# Altium PCB TC264Power.PcbDoc
Units mil, origin at the board's own origin, x right, y up, seen from the top; angles counter-clockwise.
Board outline 3937.01 x 2522.01 mil, 4 copper layers (Top, GND, PWR, Bottom), stack 23.756 mil thick; 61 components, 26 nets, 156 pads, 306 vias.
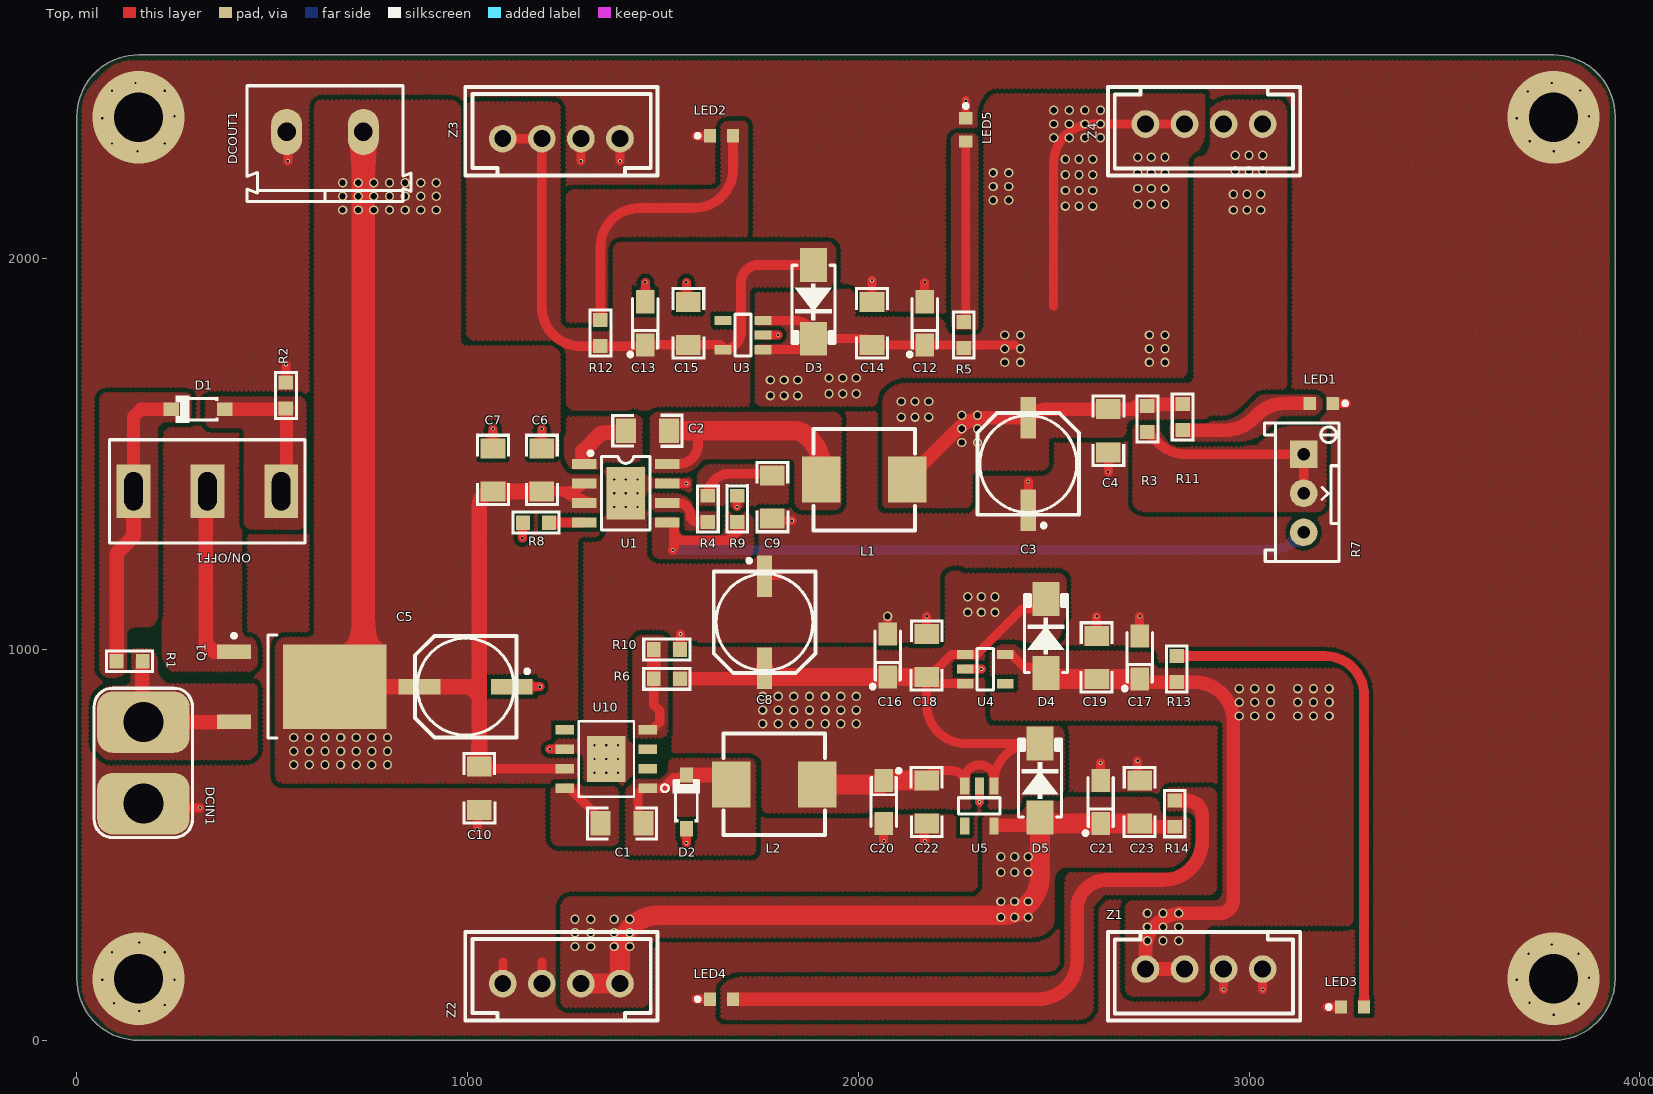
[diagram p0: Top view]
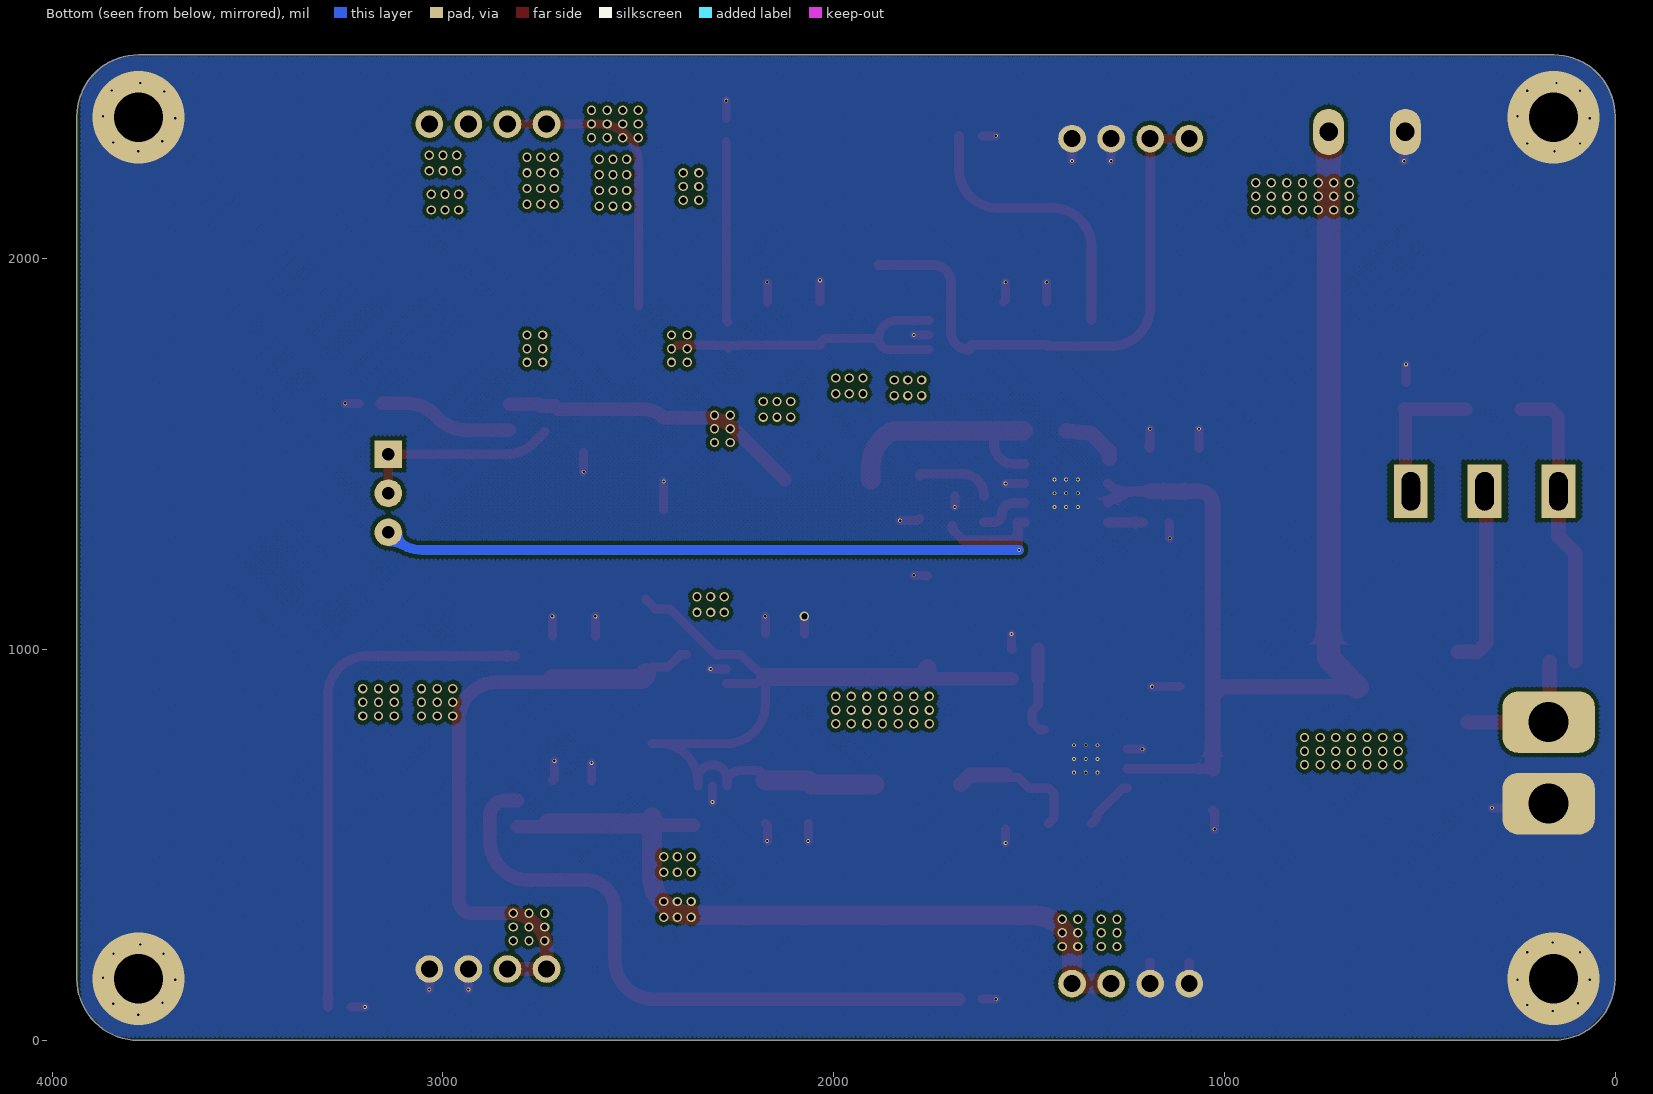
[diagram p1: Bottom view, seen from below]
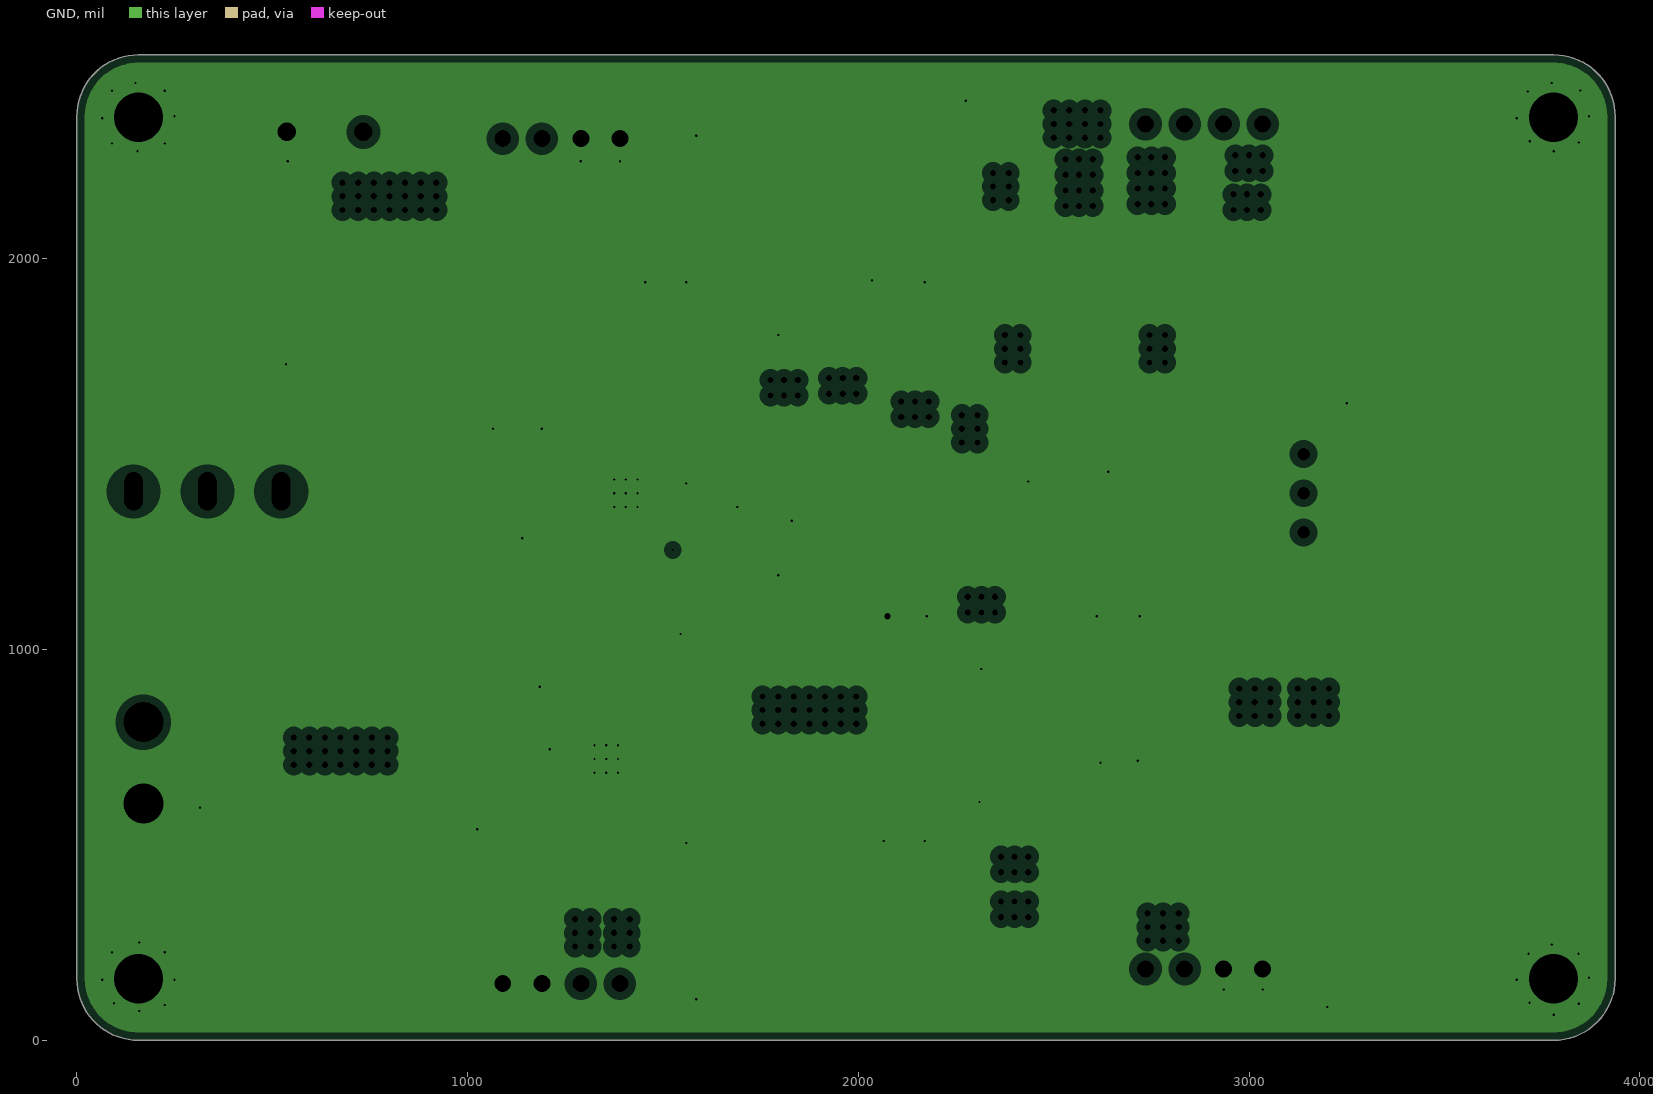
[diagram p2: GND, clearances drawn from the general rule]
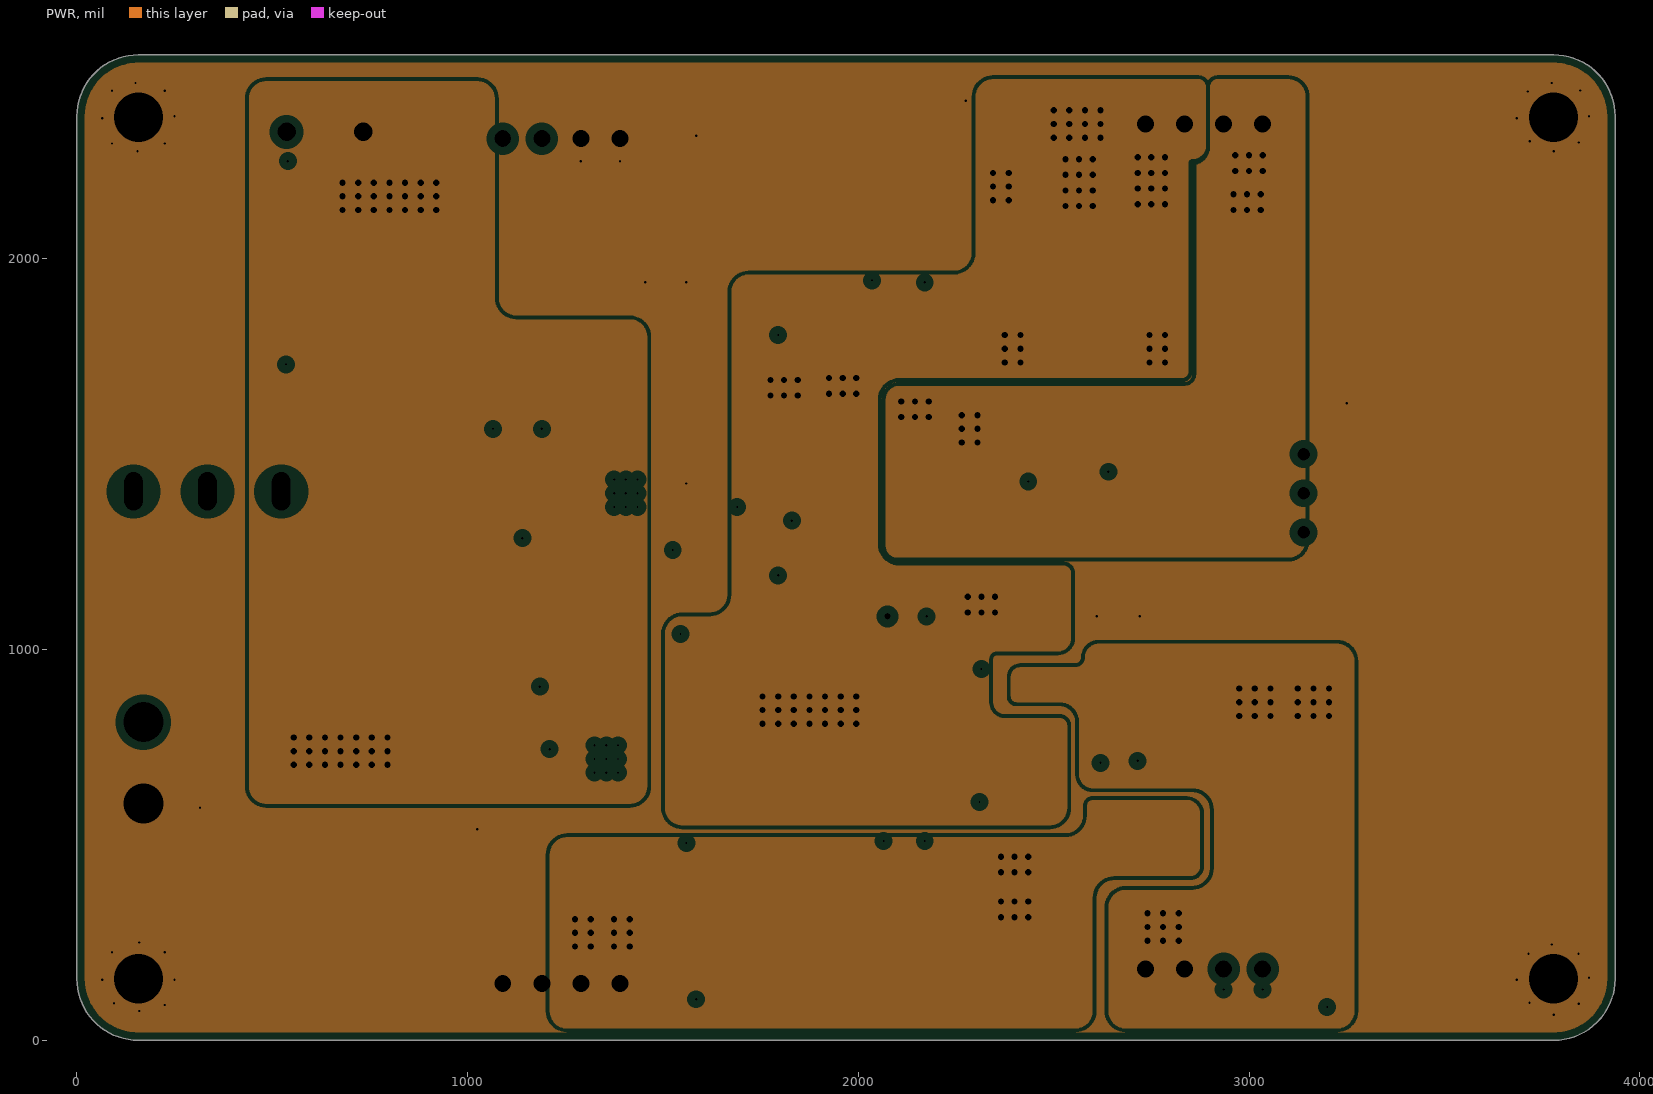
[diagram p3: PWR, clearances drawn from the general rule]

## Layer stack, top to bottom
Top Solder: solder mask 0.4, Solder Resist, Dk 3.5
Top: signal copper 1.4
Dielectric 2: prepreg 2.8, PP-006, Dk 4.1
GND: plane copper 1.378, net GND
Dielectric 1: dielectric 12.6, FR-4, Dk 4.8
PWR: plane copper 1.378, net (Multiple Nets)
Dielectric 3: prepreg 2.8, PP-006, Dk 4.1
Bottom: signal copper 1.4
Bottom Solder: solder mask 0.4, Solder Resist, Dk 3.5

## Board outline
0,157.48 0,2364.53 cw(c157.48,2364.53) 157.48,2522.01 3779.53,2522.01 cw(c3779.53,2364.53) 3937.01,2364.53 3937.01,2363.5 3937.01,157.48 cw(c3779.53,157.48) 3779.53,0 157.48,0 cw(c157.48,157.48)

## Design rules (kind name [scope] priority, off if disabled: settings)
Clearance [All] p1: gap=10 ignorepadtopadclearanceinfootprint=FALSE except(0: Arc-Hole Track-Hole SMDPad-Hole THPad-Hole Via-Hole Fill-Hole Poly-Hole Region-Hole Text-Hole)
PlaneClearance [All] p1: clearance=20
PlaneConnect [All] p1: planeconnectstyle=Direct reliefexpansion=20 reliefentries=4 reliefconductorwidth=10 reliefairgap=10
PolygonConnect [All] p1: connectstyle=Direct reliefconductorwidth=10 reliefentries=4 polygonreliefangle="90 Angle" airgapwidth=10
RoutingVias [All] p1: holewidth=28 width=50 viastyle="Through Hole" minholewidth=28 minwidth=50 maxholewidth=28 maxwidth=50
SolderMaskExpansion [All] p1: expansion=4 istentingtop=FALSE
Width [All] p1: maxlimit=60 minlimit=8 preferedwidth=10 minimp=50.000000 maximp=50.000000 favimp=50.000000
28 further rules are at their usual default settings.

## Components (designator, comment, footprint, x,y, rotation, side; value= is the part's Value field where it differs from the comment)
C1 "10nF ±10% 50V" CAPC3216[1206]S 1395,555 r180 top value=10nF
C2 "100nF ±10% 50V" CAPC3216[1206]S 1460,1560 r0 top value=100nF
C3 "220uF 16V" CAPS6.3 2435,1475 r270 top value=220uF
C4 "47uF ±10% 50V" CAPC3216[1206]S 2640,1560 r90 top value=47uF
C5 "220uF 16V" CAPS6.3 995,905 r0 top value=220uF
C6 "4.7uF ±10% 50V" CAPC3216[1206]S 1190,1460 r270 top value=4.7uF
C7 "100nF ±10% 50V" CAPC3216[1206]S 1065,1460 r270 top value=100nF
C8 "220uF 16V" CAPS6.3 1760,1070 r90 top value=220uF
C9 "4.7nF ±10% 50V" CAPC3216[1206]S 1780,1390 r270 top value=4.7nF
C10 "10uF ±10% 50V" CAPC3216[1206]S 1030,645 r270 top value=10uF
C12 "10uF 16V" CAPT3216 2170,1835 r90 top value=10uF
C13 "10uF 16V" CAPT3216 1455,1835 r90 top value=10uF
C14 "100nF ±10% 50V" CAPC3216[1206]S 2035,1835 r270 top value=100nF
C15 "100nF ±10% 50V" CAPC3216[1206]S 1565,1835 r270 top value=100nF
C16 "10uF 16V" CAPT3216 2075,985 r90 top value=10uF
C17 "10uF 16V" CAPT3216 2720,980 r90 top value=10uF
C18 "100nF ±10% 50V" CAPC3216[1206]S 2175,985 r270 top value=100nF
C19 "100nF ±10% 50V" CAPC3216[1206]S 2610,980 r270 top value=100nF
C20 "10uF 16V" CAPT3216 2065,610 r270 top value=10uF
C21 "10uF 16V" CAPT3216 2620,610 r90 top value=10uF
C22 "100nF ±10% 50V" CAPC3216[1206]S 2175,610 r90 top value=100nF
C23 "100nF ±10% 50V" CAPC3216[1206]S 2720,610 r270 top value=100nF
D1 "BZT52C16" SOD-123-L 310,1615 r180 top
D2 "BZT52C16" SOD-123-L 1560,610 r90 top
D3 "SS54" SMA[DO-214AC] 1885,1890 r270 top
D4 "SS54" SMA[DO-214AC] 2480,1034.49 r90 top
D5 "SS54" SMA[DO-214AC] 2465,665 r90 top
DCIN1 "T1" "Wired T-Header ThroughHole" 170,710 r0 top
DCOUT1 "KF/WJ/DG 30x connecter" "KF/WJ/DG 301-2p-5.0mm" 635,2325 r180 top
L1 "4.7uH 5A" "0630 TPC 7*7*3" 2015,1435 r0 top value=4.7uH
L2 "15uH 5A" "0630 TPC 7*7*3" 1785,655 r180 top value=15uH
LED1 "翠绿贴片LED" LEDC1608(0603) 3185,1630 r180 top
LED2 "翠绿贴片LED" LEDC1608(0603) 1650,2315 r0 top
LED3 "翠绿贴片LED" LEDC1608(0603) 3265,85 r0 top
LED4 "翠绿贴片LED" LEDC1608(0603) 1650,105 r0 top
LED5 "翠绿贴片LED" LEDC1608(0603) 2275,2330 r270 top
ON/OFF1 "SW-SPDT" SS12D10 333.98,1405 r0 top
Q1 "HY19P03" TO-252AA 531.06,905 r0 top
R1 "4.7K ±1%" RESC1608[0603]S-N 135,970 r180 top value=4.7K
R2 "1K ±1%" RESC1608[0603]S-N 535,1650 r90 top value=1K
R3 "15K ±1%" RESC1608[0603]S-N 2740,1590 r90 top value=15K
R4 "20K ±1%" RESC1608[0603]S-N 1615,1360 r270 top value=20K
R5 "10K ±1%" RESC1608[0603]S-N 2270,1805 r270 top value=10K
R6 "10K ±1%" RESC1608[0603]S-N 1510,925 r0 top value=10K
R7 "10K" RESPOT3296 3140,1400 r270 top
R8 "200K ±1%" RESC1608[0603]S-N 1175,1325 r0 top value=200K
R9 "3.3K ±1%" RESC1608[0603]S-N 1690,1360 r90 top value=3.3K
R10 "3.3K ±1%" RESC1608[0603]S-N 1510,1000 r0 top value=3.3K
R11 "10K ±1%" RESC1608[0603]S-N 2830,1595 r90 top value=10K
R12 "2.7K ±1%" RESC1608[0603]S-N 1340,1810 r90 top value=2.7K
R13 "2.7K ±1%" RESC1608[0603]S-N 2815,950 r90 top value=2.7K
R14 "2.7K ±1%" RESC1608[0603]S-N 2810,580 r90 top value=2.7K
U1 "SCT2450" SOP-8E 1405,1400 r0 top
U3 "RT9013-33" SOT-23-5 1705,1805 r180 top
U4 "RT9013-33" SOT-23-5 2325,950 r0 top
U5 "RT9013-33" SOT-23-5 2310,600 r270 top
U10 "TPS5430DDRA" SOP8-1R27-3R90 1355,720 r90 top
Z1 "ZX-XH2.54-4PZZ" ZX-XH2.54-4PZZ 2735,182.4 r0 top
Z2 "ZX-XH2.54-4PZZ" ZX-XH2.54-4PZZ 1390,145 r180 top
Z3 "ZX-XH2.54-4PZZ" ZX-XH2.54-4PZZ 1390,2307.6 r180 top
Z4 "ZX-XH2.54-4PZZ" ZX-XH2.54-4PZZ 2735,2345 r0 top

## Footprints (in the part's own frame and the unit in brackets; to place one, negate y for a bottom-side part, rotate by r counter-clockwise, add the part's x,y. Pads: shape width x height; smd on the part's side, far side on the other; paste and mask are expansions set on the pad)
"0630 TPC 7*7*3" [mm] "12mmx12mmx6.5mm 一体成型功率电感"
  rect 2.5x3 smd: 1(-2.8,0) 2(2.8,0)
  silkscreen extent -3.3,-3.3 3.3,3.3, body extent -3.3,-3.3 3.3,3.3, height 3
CAPC3216[1206]S [mm] "1206贴片电容 有丝印 2脚 3.20x1.60mm IPC中密度"
  rect 1.3x1.6 smd: 1(-1.4,0) 2(1.4,0)
  silkscreen extent -2.35,-1.11 2.35,1.11, body extent -1.6,-0.81 1.6,0.81, height 1.21
CAPS6.3 [mm] "Solid Electorlytic Capacitor, E-type Footprint, 6.3mm Diameter, 5.5mm Height"
  rect 2.7x1 smd: 1(-3,0) 2(3,0)
  silkscreen extent -3.3,-3.3 4.12,3.3, body extent -3.5,-3.3 3.5,3.3, height 5.2
CAPT3216 [mm] "Molded (Tantalum) Capacitor, 2-Leads, Body 3.20x1.60mm, IPC Medium Density"
  rect 1.5x1.2 smd: 1(-1.4,0) 2(1.4,0)
  silkscreen extent -2.15,-0.9 1.6,1.1, body extent -1.6,-0.8 1.6,0.8, height 1.6
"KF/WJ/DG 301-2p-5.0mm" [mm] "2P 5.08mm间距 接线端子"
  oval 2x3 hole 1.2: 1(2.5,0) 2(-2.5,0)
  silkscreen extent -5.6,-3 5.08,4.52, body extent -5.6,-3 5,4.6, height 10
LEDC1608(0603) [mm] "LED,Chip;1.60mm L X 0.80mm W X 0.80mm H"
  rect 0.8x0.85 smd: A(0.75,0) C(-0.75,0)
  silkscreen extent -1.68,-0.12 -1.43,0.12, body extent -0.8,-0.4 0.8,0.4, height 0.64
RESC1608[0603]S-N [mm] "0603贴片电阻 有丝印 2脚 1.60x0.80mm IPC中密度"
  rect 0.9x0.95 smd: 1(-0.85,0) 2(0.85,0)
  silkscreen extent -1.6,-0.78 1.6,0.78, body extent -0.8,-0.4 0.8,0.4, height 0.45
RESPOT3296 [mm] "Precise Multi-Winding Adjustable Resistor"
  rect 1.8x1.8 hole 0.8: 1(-2.54,0)
  round 1.8 hole 0.8: 2(2.54,0) ADJ(0,0)
  silkscreen extent -4.57,-2.54 4.45,2.29, body extent -4.6,-2.44 4.6,2.36, height 12.01
SMA[DO-214AC] [mm] "Molded Diode, 2-Leads, Body 5.00x2.49mm, IPC Medium Density"
  rect 2.2x1.75 smd: A(-2.4,0) K(2.4,0)
  silkscreen extent -2.37,-1.4 2.7,1.4, body extent -2.9,-1.46 2.91,1.46, height 2.3
SOD-123-L [mm] "SOD Diode;2.70mm W X 1.60mm L X 1.35mm H body"
  rect 1x0.85 smd: A(-1.75,0) K(1.75,0)
  silkscreen extent -1.32,-0.9 1.47,0.9, body extent -1.85,-0.8 1.85,0.8, height 1.2
SOP8-1R27-3R90 [mm]
  rect 0.6x1.2 smd: 1(-1.905,-2.7) 2(-0.635,-2.7) 3(0.635,-2.7) 4(1.905,-2.7) 5(1.905,2.7) 6(0.635,2.7) 7(-0.635,2.7) 8(-1.905,2.7)
  rect 3x2.5 smd: 9(0,0)
  silkscreen extent -2.45,-4.06 2.45,1.8
SOP-8E [mm] "SOIC,1.27mm pitch;8 pin,3.90mm W X 4.88mm L X 1.73mm H body"
  rect 2.5x3.4 smd: 0(0,0)
  rect 1.6x0.65 smd: 1(-2.7,1.905) 3(-2.7,-0.635) 4(-2.7,-1.905) 5(2.7,-1.905) 6(2.7,-0.635) 7(2.7,0.635) 8(2.7,1.905) q(-2.7,0.635)
  silkscreen extent -2.42,-2.4 1.58,2.72, body extent -3.11,-2.45 3.11,2.45, height 1.75
SOT-23-5 [mm] "SOT23, 5-Leads, Body 2.92x2.79mm, Pitch 0.95mm, IPC Medium Density"
  rect 1.1x0.6 smd: 1(-1.3,0.95) 2(-1.3,0) 3(-1.3,-0.95) 4(1.3,-0.95) 5(1.3,0.95)
  silkscreen extent -0.53,-1.35 0.53,1.35, body extent -1.42,-1.46 1.42,1.46, height 1.08
SS12D10 [mm] "拨动开关，直脚，脚距4.8"
  rect 2.2x3.5 hole 1.2 slot 2.5 at 90 deg mask+0.07: 1(-4.8,0) 2(0,0) 3(4.8,0)
  silkscreen extent -6.35,-3.35 6.35,3.35, body extent -6.4,-3.3 6.35,3.8, height 12.5
TO-252AA [mm] "D-PAK, 4-Leads, Body 6.1x6.5mm, Pitch 2.28mm, Lead Span 9.8mm, IPC Low Density"
  rect 6.7x5.5 smd: 1(3.275,0)
  rect 2.2x0.95 smd: 2(-3.275,2.28) 3(-3.275,-2.28)
  silkscreen extent -3.4,-3.35 -0.47,3.43, body extent -3.77,-3.27 6.16,3.27, height 2.39
"Wired T-Header ThroughHole" [mm] "带线T头直插焊盘"
  rrect50% 6x4 hole 2.6: 1(0,2.65) 2(0,-2.65)
  silkscreen extent -3.2,-4.85 3.2,4.85
ZX-XH2.54-4PZZ [mm]
  round 1.8 hole 1.1 paste-2539.97 mask+0.051: 1(7.62,0) 2(5.08,0) 3(2.54,0) 4(0,0)
  silkscreen extent -2.44,-3.35 10.06,2.4, body extent -2.44,-3.29 10.06,2.41, height 7

## Part data
C1 C2 C7 C14 C15 C18 C19 C22 C23: library part Cap-Chip, "贴片电容", Tolerance=±10%, Voltage=50V, Published=2021-12-13, Revision=V1.2, Type=X7R
C3 C5 C8: library part Cap-Solid_1, "Polarized Capacitor (Radial)", Voltage=16V, Price(RMB)=0.000, Published=8-Jun-2000, Publisher="Altium Limited", Revision="July-2002: Re-released for DXP Platform."
C4: library part Cap-Chip_2, "贴片电容", Tolerance=±10%, Voltage=50V, Published=2021-12-13, Revision=V1.2, Type=X5R
C6 C10: library part Cap-Chip_1, "贴片电容", Tolerance=±10%, Voltage=50V, Published=2021-12-13, Revision=V1.2, Type=X7R
C9: library part Cap-Chip_3, "贴片电容", Tolerance=±10%, Voltage=50V, Published=2021-12-13, Revision=V1.2, Type=X7R
C12 C13 C16 C17 C20 C21: library part Cap-Tan, "Tantalum Capacitor", Voltage=16V, Price(RMB)=0.000, Published=8-Jun-2000, Publisher="Altium Limited", Revision="July-2002: Re-released for DXP Platform."
D1 D2: library part "Diode TVS Uni-Dir", "TRANSIENT VOLTAGE  SUPPRESSOR DIODE", Imax=500mA, Price(RMB)=0.000, Published=8-Jun-2000, Publisher="Altium Limited"
D3 D4 D5: library part Diode, "普通二极管 Diode", Imax=500mA, Price(RMB)=0.000, Published=8-Jun-2000, Publisher="Altium Limited", Revision="July-2002: Re-released for DXP Platform."
DCIN1: library part T_Header, "T型插头"
DCOUT1: library part "KF/WJ/DG 30x", "接线端子 2Pin"
L1 L2: library part Ind-Power, "功率电感", DCR=.5m, Imax=5A, Price(RMB)=0.000, Published=8-Jun-2000, Publisher="Altium Limited", Revision="July-2002: Re-released for DXP Platform."
LED1 LED2 LED3 LED4 LED5: library part "LED Chip Green", Price(RMB)=0.00, Published=8-Jun-2000, Publisher="Altium Limited", Revision="July-2002: Re-released for DXP Platform."
ON/OFF1: "单刀双掷开关 3脚船型、钮子、拨动开关 SPDT Subminiature Toggle Switch", Price(RMB)=0.000, Published=24-Mar-1999, Publisher="Altium Limited"
Q1: "HY19P03 P-Channel MOSFET"
R1: library part Res-Chip_4, "贴片电阻", Tolerance=±1%, Published=8-Jun-2000, Revision="July-2002: Re-released for DXP Platform."
R2: library part Res-Chip_3, "贴片电阻", Tolerance=±1%, Published=8-Jun-2000, Revision="July-2002: Re-released for DXP Platform."
R3: library part Res-Chip_7, "贴片电阻", Tolerance=±1%, Published=8-Jun-2000, Revision="July-2002: Re-released for DXP Platform."
R4: library part Res-Chip_6, "贴片电阻", Tolerance=±1%, Published=8-Jun-2000, Revision="July-2002: Re-released for DXP Platform."
R5 R6 R11: library part Res-Chip, "贴片电阻", Tolerance=±1%, Published=8-Jun-2000, Revision="July-2002: Re-released for DXP Platform."
R7: library part Res-Adj-3p, "可调电阻"
R8: library part Res-Chip_5, "贴片电阻", Tolerance=±1%, Published=8-Jun-2000, Revision="July-2002: Re-released for DXP Platform."
R9 R10: library part Res-Chip_8, "贴片电阻", Tolerance=±1%, Published=8-Jun-2000, Revision="July-2002: Re-released for DXP Platform."
R12 R13 R14: library part Res-Chip_2, "贴片电阻", Tolerance=±1%, Published=8-Jun-2000, Revision="July-2002: Re-released for DXP Platform."
U1: "3.8V-36V Vin, 5A, High Efficiency Synchronous Step-down DCDC Converter / with Programmable Frequency"
U3 U4 U5: "3.3V 500mA SOT-23-5 LDO"
Z1 Z2 Z3 Z4: "接线端子"

## Via types
v1: diameter 24, hole 16, Top to Bottom, tented both sides, 211 vias
v2: diameter 9.84, hole 5.91, Top to Bottom, 91 vias
v3: diameter 236.22, hole 125.98, Top to Bottom, 4 vias

## Nets (pads, with @x,y where several pads share a name; then routed paths per layer and width w, separated by ;. In a path a pad name is that pad's centre, name@x,y a point inside that pad or via, vN(x,y) a via of type N, cw(c..) or ccw(c..) an arc to the next point about the centre after c; other vN are vias at no path point)
3V3: C17.1 C19.2 D4.A R13.1 U4.5 Z1.3 Z1.4 | length 1578.5
  Top w23: U4.5 2376.49,987.09 2392.75,987.09 2424.52,955.32 2464.68,955.32 D4.A
  Top w35: C17.1 2720,922.66 2726.12,916.54 R13.1 2860,916.54 cw(c2860,816.54) 2960,816.54 2960,360 cw(c2925,360) 2925,325 2830,325 ccw(c2830,230) 2735,230 Z1.4 Z1.3
  Top w51: D4.A 2480,933.83 2488.95,924.88 C19.2 C17.1
  other v1: 2740,255 2780,255 2820,255 2740,290 2780,290 2820,290 2740,325 2780,325 2820,325 2975,830 3015,830 3055,830 3125,830 3165,830 3205,830 2975,865 3015,865 3055,865 3125,865 3165,865 3205,865 2975,900 3015,900 3055,900 3125,900 3165,900 3205,900
3V3_CAM: C13.1 C15.2 D3.A R12.1 U3.5 Z3.1 Z3.2 | length 1470
  Top w25: Z3.1 Z3.2 1190,1876.54 ccw(c1290,1876.54) 1290,1776.54 R12.1 1451.65,1776.54 ccw(c1451.65,1779.88) C13.1 C15.2 1641.54,1779.88 cw(c1641.54,1767.6) U3.5 ccw(c1653.82,1813.78) 1700,1813.78 1700,1940 cw(c1744.49,1940) 1744.49,1984.49 D3.A
3V3_MCU: C21.1 C23.2 D5.A R14.1 U5.5 Z2.3 Z2.4 | length 1928.1
  Top w35: 2360,550 D5.A@2448.88,550 ; C23.2 2728.09,546.79 2750.18,546.79 2750.43,546.54 R14.1
  Top w51: Z2.3 Z2.4 1390,220 cw(c1490,220) 1490,320 2365,320 ccw(c2365,420) 2465,420 D5.A ; D5.A@2485,555 C21.1@2606.05,555 ; C21.1 C23.2@2730,554.88
  other v1: 1275,240 1315,240 1375,240 1415,240 1275,275 1315,275 1375,275 1415,275 1275,310 1315,310 1375,310 1415,310 2365,315 2400,315 2435,315 2365,355 2400,355 2435,355 2365,430 2400,430 2435,430 2365,470 2400,470 2435,470
5V: C8.1 C12.1 C14.2 C16.1 C18.2 C20.1 C22.2 D3.K D4.K D5.K L2.1 R5.2 R6.2 U3.1 U3.3 U4.1 U4.3 U5.1 U5.3 Z4.3 Z4.4 | length 3867
  Top w23: U3.1 1857.09,1767.6 ccw(c1857.09,1795.51) D3.K ; U3.3 1838.11,1842.4 cw(c1838.11,1795.51) D3.K ; C22.2 cw(c2199.88,665.12) 2199.88,690 2240,690 cw(c2240,657.4) U5.3@2272.6,657.4 ; U5.3 U5.3@2272.6,657.4 ; U4.3 2198.19,912.6 C18.2@2180.91,929.88 ; U4.1 U4.1@2274.13,987.71 ; U5.1 U5.1@2347.4,659.49 ; 2400,1779.88 2305,1779.88 2302.87,1777.75 2276.22,1777.75 R5.2 2263.78,1777.75 2247.13,1777.75 2245,1779.88 C12.1 C14.2 ccw(c2019.37,1779.88) 2019.37,1795.51 D3.K ; D5.K D5.K@2447.4,759.49 ; D4.K 2480,1127.28 2457.05,1104.33 2419.33,1104.33 2302.71,987.71 U4.1@2274.13,987.71 ; 2500,1879.88 2500,2245 cw(c2600,2245) 2600,2345 Z4.4 Z4.3 ; C18.2@2180.91,929.88 2238.11,987.09 2273.51,987.09 U4.1@2274.13,987.71 ; C18.2@2180.91,929.88 C18.2 2175,859.49 ccw(c2275,859.49) 2275,759.49 D5.K@2447.4,759.49 ; U5.3@2272.6,657.4 2272.6,667.6 cw(c2310,667.6) 2310,705 cw(c2310,667.6) 2347.4,667.6 U5.1@2347.4,659.49 ; U5.1@2347.4,659.49 cw(c2447.4,659.49) D5.K@2447.4,759.49
  Top w35: R6.2 C8.1@1757.81,925
  Top w47: C8.1 1760,933.7 1763.81,929.88 C16.1 C18.2
  Top w51: L2.1 2054.88,655 2060.97,661.09 2063.12,661.09 2065,662.97 C20.1 C22.2
  other v1: 1755,810 1795,810 1835,810 1875,810 1915,810 1955,810 1995,810 1755,845 1795,845 1835,845 1875,845 1915,845 1955,845 1995,845 1755,880 1795,880 1835,880 1875,880 1915,880 1955,880 1995,880 2280,1095 2315,1095 2350,1095 2280,1135 2315,1135 2350,1135 1775,1650 1810,1650 1845,1650 1925,1655 1960,1655 1995,1655 1775,1690 1810,1690 1845,1690 1925,1695 1960,1695 1995,1695 2375,1735 2415,1735 2745,1735 2785,1735 2375,1770 2415,1770 2745,1770 2785,1770 2375,1805 2415,1805 2745,1805 2785,1805 2530,2135 2565,2135 2600,2135 2715,2140 2750,2140 2785,2140 2345,2150 2385,2150 2530,2175 2565,2175 2600,2175 2715,2180 2750,2180 2785,2180 2345,2185 2385,2185 2530,2215 2565,2215 2600,2215 2345,2220 2385,2220 2715,2220 2750,2220 2785,2220 2530,2255 2565,2255 2600,2255 2715,2260 2750,2260 2785,2260 2500,2310 2540,2310 2580,2310 2620,2310 2500,2345 2540,2345 2580,2345 2620,2345 2500,2380 2540,2380 2580,2380 2620,2380
5V_Ser: C3.1 C4.2 L1.2 R3.2 R11.2 Z4.1 Z4.2 | length 776.4
  Top w35: L1.2 2254.06,1563.82 cw(c2324.77,1493.11) 2324.77,1593.11 C3.1 cw(c2488.13,1539.98) 2488.13,1615.12 2705.12,1615.12 2713.25,1623.25 2739.78,1623.25 R3.2@2740.22,1623.68 ; R3.2 R3.2@2740.22,1623.68 ; R11.2@2828.8,1628.25 2756.45,1628.25 2751.89,1623.68 R3.2@2740.22,1623.68
  other v1: 2265,1530 2305,1530 2265,1565 2305,1565 2110,1595 2145,1595 2180,1595 2265,1600 2305,1600 2110,1635 2145,1635 2180,1635 2960,2125 2995,2125 3030,2125 2960,2165 2995,2165 3030,2165 2965,2225 3000,2225 3035,2225 2965,2265 3000,2265 3035,2265
GND: C3.2 C4.1 C5.2 C6.1 C7.1 C8.2 C9.2 C10.2 C12.2 C13.2 C14.1 C15.1 C16.2 C17.2 C18.1 C19.1 C20.2 C21.2 C22.1 C23.1 D2.A DCIN1.2 DCOUT1.1 LED1.C LED2.C LED3.C LED4.C LED5.C R2.2 R8.1 R9.2 R10.2 U1.0 U1.7 U3.2 U4.2 U5.2 U10.6 U10.9 Z1.1 Z1.2 Z2.1 Z2.2 Z3.3 Z3.4 | length 3655.1
  Top w10: v2(90,225) v3(157.48,157.48) ; v2(90,2295) 90.28,2295 v3(157.48,2362.2) ; v2(90,2430) 90,2429.69 v3(157.48,2362.2) ; v2(95,95) v3(157.48,157.48) ; v2(225,90) v3(157.48,157.48) ; v2(225,225) v3(157.48,157.48) ; v2(225,2295) 157.8,2362.2 v3(157.48,2362.2) ; v2(225,2430) 157.48,2362.48 v3(157.48,2362.2) ; v2(3713.16,2428.49) v3(3779.53,2362.2) v3(3779.53,2362.2) ; v2(3715.45,221.51) v3(3779.53,157.48) v3(3779.53,157.48) ; v2(3718.04,95.98) v3(3779.53,157.48) ; v2(3718.61,2301.27) v3(3779.53,2362.2) ; v2(3843.45,221.58) 3779.53,157.66 v3(3779.53,157.48) ; v2(3843.75,93.29) v3@3779.56,157.48 ; v2(3844.13,2297.67) 3779.6,2362.2 v3(3779.53,2362.2)
  Top w23: DCIN1.2 180.67,595 v2(315,595) ; R2.2@533.46,1685 R2.2 v2(535,1730) ; DCOUT1.1 540,2321.57 v2(540,2250) ; v2(1025,540) 1025,584.88 C10.2 ; C7.1@1064.94,1515.06 C7.1 v2(1065,1565) ; Z2.1 1090,200 ; C5.2 v2(1185,905) ; v2(1140,1285) 1140,1323.46 R8.1 ; Z2.2 1190,200 ; v2(1190,1565) C6.1 C6.1@1194.82,1519.94 ; v2(1210,745) U10.6 ; v2(1290,2250) Z3.3 ; v2(1390,2250) Z3.4 ; C13.2 v2(1455,1940) ; U1.7 v2(1560,1425) ; R10.2 1545,1001.54 v2(1545,1040) ; v2(1560,505) D2.A ; v2(1560,1940) 1560,1895.12 C15.1 ; v2(1585,105) LED4.C ; v2(1585,2315) LED2.C ; v2@1690,1365.75 R9.2 ; U3.2 v2(1795,1805) ; C8.2 1761.89,1190 v2(1795,1190) ; C9.2 ccw(c1791.79,1346.67) 1791.79,1330 v2(1830,1330) ; C14.1 v2(2035,1945) ; v2(2065,510) C20.2 ; C16.2 v1(2075,1085) ; v2(2170,510) 2170,549.88 C22.1 ; C12.2 v2(2170,1940) ; C18.1 v2(2175,1085) ; U4.2 v2(2315,950) ; LED5.C v2(2275,2405) ; v2(2310,610) U5.2 ; C3.2 v2(2435,1430) ; C19.1 v2(2610,1085) ; C21.2 v2(2620,710) ; v2(2640,1455) C4.1 ; v2(2715,715) 2715,670.12 C23.1 ; C17.2 v2(2720,1085) ; v2(2935,130) Z1.2 ; v2(3035,130) Z1.1 ; v2(3200,85) LED3.C ; LED1.C v2(3250,1630)
  Bottom w10: v3(3779.53,2362.2) v2(3847.99,2430.7)
  other v2: 3780,65 160,75 65,155 250,155 3685,155 3870,160 3775,245 160,250 1325,685 1355,685 1385,685 1325,720 1355,720 1385,720 1325,755 1355,755 1385,755 1375,1365 1405,1365 1435,1365 1690,1365 1375,1400 1405,1400 1435,1400 1375,1435 1405,1435 1435,1435 155,2275 3780,2275 65,2360 3685,2360 250,2365 3870,2365 150,2450 3775,2450
NetC1_1: C1.1 D2.K L2.2 U10.1 | length 351.3
  Top w23.62: C1.1 1436.34,568.78 1436.34,631.85 1449.49,645 U10.1 1500,645 1527.31,672.31 1555.08,672.31 1560,677.23 D2.K
  Top w39.37: D2.K 1650.87,678.9 L2.2
NetC1_2: C1.2 U10.8 | length 134.7
  Top w23.62: U10.8 1260.51,645 1326.1,579.41 1326.1,568.78 C1.2
NetC2_1: C2.1 U1.1 | length 146.7
  Top w39.37: 1295,1490 1295,1507.24 1341.68,1553.92 1398.98,1559.43 C2.1
NetC2_2: C2.2 L1.1 U1.8 | length 623.3
  Top w25: U1.8 1538.79,1475 ccw(c1538.79,1526.21) 1575,1490 ccw(c1538.79,1526.21) 1590,1526.21 1590,1535 ccw(c1553.79,1535) 1579.99,1560
  Top w50: C2.2 1579.99,1560 1833.79,1560 cw(c1833.79,1508.79) 1869.99,1545.01 1875.47,1539.53 cw(c1804.76,1468.81) 1904.76,1468.81 L1.1
NetC9_1: C9.1 R4.1 | length 200.1
  Top w25: R4.1 cw(c1671.54,1393.46) 1671.54,1450 1775.12,1450 cw(c1775.12,1445.12) C9.1
NetD1_A: D1.A ON/OFF1.3 R2.1 | length 368.3
  Top w33.47: D1.A@381.85,1615 R2.1@536.54,1615 ; ON/OFF1.3 536.54,1418.58 R2.1@536.54,1610 ; R2.1@535.98,1616.54 R2.1@536.97,1616.54 ; R2.1@538.03,1616.54 R2.1@540,1616.54
NetD1_K: D1.K ON/OFF1.1 R1.2 | length 747.6
  Top w33.47: ON/OFF1.1 145,1595.4 164.6,1615 D1.K
  Top w37.4: R1.2 101.54,1246.54 145,1290 ON/OFF1.1
NetDCIN1_1: DCIN1.1 Q1.3 R1.1 | length 362.9
  Top w37.4: R1.1@167.56,969.09 167.56,814.96 DCIN1.1@168.19,814.33 ; DCIN1.1 376.61,814.33 Q1.3@377.52,815.24
NetLED1_A: LED1.A R11.1 | length 345.2
  Top w35: R11.1 2940.11,1561.54 ccw(c2940.11,1661.54) 3010.82,1590.82 3020.71,1600.71 cw(c3091.42,1530) 3091.42,1630 LED1.A
NetLED2_A: LED2.A R12.2 | length 725.2
  Top w25: R12.2 1340,2030 cw(c1440,2030) 1440,2130 1579.53,2130 ccw(c1579.53,2230) 1679.53,2230 LED2.A
NetLED3_A: LED3.A R13.2 | length 1335.1
  Top w25: R13.2 3194.53,983.46 cw(c3194.53,883.46) 3294.53,883.46 LED3.A
NetLED4_A: LED4.A R14.2 | length 1644.4
  Top w35: LED4.A 2460,105 ccw(c2460,205) 2560,205 2560,335 cw(c2635,335) 2635,410 2780,410 ccw(c2780,510) 2880,510 2880,575 ccw(c2841.54,575) 2841.54,613.46 R14.2
NetLED5_A: LED5.A R5.1 | length 464.1
  Top w23: R5.1 2275,1843.46 LED5.A
NetON/OFF1_2: ON/OFF1.2 Q1.2 | length 471.2
  Top w37.4: ON/OFF1.2 330,1401.02 330,1016.67 351.91,994.76 Q1.2
NetR3_1: R3.1 R7.1 R7.ADJ | length 519.1
  Top w25: R3.1 2767.25,1529.29 ccw(c2837.96,1600) 2837.96,1500 R7.1 R7.ADJ
NetR4_2: R4.2 U1.6 | length 147.6
  Top w25: U1.6@1527.5,1374.7 U1.6 1527.5,1375 1540,1375 cw(c1540,1345) 1570,1345 ccw(c1588.46,1345) 1588.46,1326.54 R4.2
NetR6_1: R6.1 R10.1 U10.4 | length 230.9
  Top w23.6: U10.4 1473.11,795 1491.78,813.67 1491.78,843.22 1476.54,858.46 R6.1
  Top w35: R6.1 R10.1
NetR7_2: R7.2 R9.1 U1.5 | length 1914.3
  Top w25: U1.5 1527.97,1325 1528.27,1324.7 1528.27,1294.64 ; v2(1525,1255) ccw(c1517.11,1262.89) 1528.27,1262.89 1528.27,1294.64 ; R9.1@1696.25,1316.64 1696.25,1307.09 1669.15,1280 1542.91,1280 1528.27,1294.64
  Bottom w25: v2(1525,1255) 3053.58,1255 ccw(c3053.58,1355) 3124.29,1284.29 R7.2 R7.2@3137.94,1301.31
NetR8_2: R8.2 U1.4 | length 90.2
  Top w25: R8.2 U1.4
VCCBAT: C5.1 C6.2 C7.2 C10.1 DCOUT1.2 Q1.1 U1.3 U1.q U10.7 | length 3097.8
  Top w23.62: C10.1@1030,695 U10.7
  Top w25: C6.2 1227.4,1404.88 ; U1.3 1298.11,1375.59 ccw(c1227.4,1304.88) 1227.4,1404.88 ; U1.q cw(c1250.13,1473.57) 1250.13,1404.88 1227.4,1404.88
  Top w39.37: Q1.1 C5.1 1005,905 1030,880 ; C10.1@1030,695 C10.1 1030,880 ; C6.2 C7.2 ccw(c1065,1369.88) 1030,1369.88 1030,880
  Top w60: Q1.1 733.43,978.43 DCOUT1.2
  other v1: 555,705 595,705 635,705 675,705 715,705 755,705 795,705 555,740 595,740 635,740 675,740 715,740 755,740 795,740 555,775 595,775 635,775 675,775 715,775 755,775 795,775 680,2125 720,2125 760,2125 800,2125 840,2125 880,2125 920,2125 680,2160 720,2160 760,2160 800,2160 840,2160 880,2160 920,2160 680,2195 720,2195 760,2195 800,2195 840,2195 880,2195 920,2195
pads on no net: U3.4 U4.4 U5.4 U10.2 U10.3 U10.5

## Polygon pours and split planes (outlines as drawn)
GND on Top "GND_L01_P035" (hatched 45Degree grid 8 track 8, remove dead copper, pour order 35): 18 vertices, not listed, extent 15,15 3920,2505
5V on Top "5V_L01_P032" (hatched 45Degree grid 8 track 8, remove dead copper, pour order 32): 39 vertices, not listed, extent 1730,1625 2885,2420
5V_Ser on Top "5V_SER_L01_P031" (hatched 45Degree grid 8 track 8, remove dead copper, pour order 31): 25 vertices, not listed, extent 2690,1591.3 3095,2405
NetON/OFF1_2 on Top "NETON/OFF1_2_L01_P028" (hatched 45Degree grid 8 track 8, remove dead copper, pour order 28): 20 vertices, not listed, extent 220,945 460,1570
NetDCIN1_1 on Top "NETDCIN1_1_L01_P027" (hatched 45Degree grid 8 track 8, remove dead copper, pour order 27): 24 vertices, not listed, extent 45,720 460,1000
NetD1_A on Top "NETD1_A_L01_P026" (hatched 45Degree grid 8 track 8, remove dead copper, pour order 26): 20 vertices, not listed, extent 330,1310 585,1645
NetD1_K on Top "NETD1_K_L01_P025" (hatched 45Degree grid 8 track 8, remove dead copper, pour order 25): 25 vertices, not listed, extent 60,930 290,1655
NetLED4_A on Top "NETLED4_A_L01_P024" (hatched 45Degree grid 8 track 8, remove dead copper, pour order 24): 39 vertices, not listed, extent 1650,55 2915,645
NetR3_1 on Top "NETR3_1_L01_P023" (hatched 45Degree grid 8 track 8, remove dead copper, pour order 23): 26 vertices, not listed, extent 2705,1355 3195,1585
NetLED1_A on Top "NETLED1_A_L01_P022" (hatched 45Degree grid 8 track 8, remove dead copper, pour order 22): 22 vertices, not listed, extent 2800,1535 3185,1650
5V_Ser on Top "5V_SER_L01_P021" (hatched 45Degree grid 8 track 8, remove dead copper, pour order 21): 29 vertices, not listed, extent 2065,1365 2895,1680
VCCBAT on Top "VCCBAT_L01_P001" (hatched 45Degree grid 8 track 8, remove dead copper, pour order 1): 40 vertices, not listed, extent 510,660 1340,2405
NetLED5_A on Top "NETLED5_A_L01_P019" (hatched 45Degree grid 8 track 8, remove dead copper, pour order 19): 2240,1825 2240,2302.93 cw(c2257.07,2302.93) 2245,2315 cw(c2257.07,2302.93) 2257.07,2320 2295,2320 2301.46,2313.54 cw(c2292.93,2305) 2305,2305 2305,1832.07 cw(c2287.93,1832.07) 2300,1820 2250,1820 cw(c2250,1832.07) 2241.46,1823.54
NetLED2_A on Top "NETLED2_A_L01_P018" (hatched 45Degree grid 8 track 8, remove dead copper, pour order 18): 28 vertices, not listed, extent 1255,1820 1715,2350
3V3_MCU on Top "3V3_MCU_L01_P015" (hatched 45Degree grid 8 track 8, remove dead copper, pour order 15): 48 vertices, not listed, extent 1240,85 2850,620
5V on Top "5V_L01_P014" (hatched 45Degree grid 8 track 8, remove dead copper, pour order 14): 60 vertices, not listed, extent 1519.56,583.26 2530.29,1198.26
3V3 on Top "3V3_L01_P013" (hatched 45Degree grid 8 track 8, remove dead copper, pour order 13): 43 vertices, not listed, extent 2340,115 3265,1010
NetC1_1 on Top "NETC1_1_L01_P012" (hatched 45Degree grid 8 track 8, remove dead copper, pour order 12): 20 vertices, not listed, extent 1405.43,476.04 1735.43,721.04
NetR7_2 on Top "NETR7_2_L01_P011" (hatched 45Degree grid 8 track 8, remove dead copper, pour order 11): 24 vertices, not listed, extent 1475,1235 1730,1350
NetC1_2 on Top "NETC1_2_L01_P010" (hatched 45Degree grid 8 track 8, remove dead copper, pour order 10): 17 vertices, not listed, extent 1215,500 1385,660
NetR6_1 on Top "NETR6_1_L01_P009" (hatched 45Degree grid 8 track 8, remove dead copper, pour order 9): 1425,775 1425,1012.93 cw(c1442.07,1012.93) 1430,1025 1436.46,1031.46 cw(c1445,1022.93) 1445,1035 1492.93,1035 cw(c1492.93,1017.93) 1505,1030 cw(c1492.93,1017.93) 1510,1017.93 1510,785 1507.07,782.07 cw(c1490,799.14) 1490,775
3V3_CAM on Top "3V3_CAM_L01_P008" (hatched 45Degree grid 8 track 8, remove dead copper, pour order 8): 39 vertices, not listed, extent 995,1615 1940,2400
NetC9_1 on Top "NETC9_1_L01_P004" (hatched 45Degree grid 8 track 8, remove dead copper, pour order 4): 1590,1370 1805,1370 ccw(c1805,1382.07) 1813.54,1373.54 1815,1375 ccw(c1802.93,1387.07) 1820,1387.07 1820,1462.93 ccw(c1802.93,1462.93) 1815,1475 ccw(c1802.93,1462.93) 1802.93,1480 1629.14,1480 ccw(c1629.14,1455.86) 1612.07,1472.93 1594.14,1455 ccw(c1604.14,1445) 1590,1445
NetC2_1 on Top "NETC2_1_L01_P006" (hatched 45Degree grid 8 track 8, remove dead copper, pour order 6): 21 vertices, not listed, extent 1250,1462.07 1445,1600
NetR4_2 on Top "NETR4_2_L01_P005" (hatched 45Degree grid 8 track 8, remove dead copper, pour order 5): 25 vertices, not listed, extent 1470,1300 1640,1400
NetC2_2 on Top "NETC2_2_L01_P003" (hatched 45Degree grid 8 track 8, remove dead copper, pour order 3): 23 vertices, not listed, extent 1470,1360 1955,1605
GND on Bottom "GND_L04_P036" (hatched 45Degree grid 8 track 8, remove dead copper, pour order 36): 18 vertices, not listed, extent 5,10 3925,2515
GND on PWR (split plane): 417 vertices, not listed, extent 20.03,20.03 3916.97,2501.97
VCCBAT on PWR (split plane): 96 vertices, not listed, extent 440.03,605.03 1459.97,2454.97
3V3_MCU on PWR (split plane): 119 vertices, not listed, extent 1210.03,30.03 2874.96,614.96
5V on PWR (split plane): 256 vertices, not listed, extent 1505.03,550.03 2889.95,2459.97
3V3 on PWR (split plane): 178 vertices, not listed, extent 2390.04,30.03 3269.97,1014.97
VCCBAT on PWR (split plane): 23 vertices, not listed, extent 2832.23,1685.03 2854.97,1707.77
5V_Ser on PWR (split plane): 100 vertices, not listed, extent 2070.03,1235.03 3144.97,2459.97
GND on GND (split plane): 116 vertices, not listed, extent 20.03,20.03 3916.97,2501.97

## Other copper
PWR (plane layer: these items are gaps in the copper):
  lines w10: 2895,2440 cw(c2920,2440) 2920,2465 2970,2465 3100,2465 cw(c3100,2415) 3150,2415 3150,1280 cw(c3100,1280) 3100,1230 2100,1230 cw(c2100,1265) 2065,1265 2065,1640 cw(c2105,1640) 2105,1680 2365,1680 2835,1680 ccw(c2835,1705) 2860,1705 2860,2215 2860,2240 ccw(c2855,2240) 2855,2245 ccw(c2855,2285) 2895,2285 2895,2440 ; 2895,2440 ccw(c2870,2440) 2870,2465 2345,2465 ccw(c2345,2415) 2295,2415 2295,2015 cw(c2245,2015) 2245,1965 1720,1965 ccw(c1720,1915) 1670,1915 1670,1140 cw(c1620,1140) 1620,1090 1550,1090 ccw(c1550,1040) 1500,1040 1500,800 1500,595 ccw(c1550,595) 1550,545 2490,545 ccw(c2490,595) 2540,595 2540,805 ccw(c2515,805) 2515,830 2375,830 cw(c2375,865) 2340,865 2340,975 cw(c2355,975) 2355,990 2510,990 ccw(c2510,1030) 2550,1030 2550,1195 ccw(c2525,1195) 2525,1220 2105,1220 cw(c2105,1270) 2055,1270 2055,1620 2055,1640 cw(c2105,1640) 2105,1690 2830,1690 ccw(c2830,1710) 2850,1710 2850,2245 cw(c2855,2245) 2855,2250 ccw(c2855,2290) 2895,2290 2895,2415 2895,2440 ; 435,650 ccw(c485,650) 485,600 1395,600 1415,600 ccw(c1415,650) 1465,650 1465,1800 ccw(c1415,1800) 1415,1850 1410.62,1850 1393.12,1850 1380,1850 1125,1850 cw(c1125,1900) 1075,1900 1075,2410 ccw(c1025,2410) 1025,2460 485,2460 ccw(c485,2410) 435,2410 435,2375 435,650 ; 1205,75 ccw(c1255,75) 1255,25 2555,25 ccw(c2555,75) 2605,75 2605,365 cw(c2655,365) 2655,415 2850,415 ccw(c2850,445) 2880,445 2880,580 ccw(c2840,580) 2840,620 2600,620 ccw(c2600,600) 2580,600 2580,575 cw(c2530,575) 2530,525 1255,525 ccw(c1255,475) 1205,475 1205,75 ; 2385,880 ccw(c2405,880) 2405,860 2515,860 cw(c2515,815) 2560,815 2560,680 ccw(c2600,680) 2600,640 2855,640 cw(c2855,590) 2905,590 2905,440 cw(c2855,440) 2855,390 2685,390 ccw(c2685,340) 2635,340 2635,75 ccw(c2685,75) 2685,25 3225,25 ccw(c3225,75) 3275,75 3275,970 ccw(c3225,970) 3225,1020 2615,1020 ccw(c2615,980) 2575,980 cw(c2555,980) 2555,960 2450,960 2415,960 ccw(c2415,930) 2385,930 2385,880

## Silkscreen, mask and mechanical layers (free items; w line width, h text height)
Mechanical 1:
  lines w10: 0,157.48 ccw(c157.48,157.48) 157.48,0 ; 0,157.48 ccw(c157.48,157.48) 157.48,0 ; 0,157.48 2.14,2376.82 ; 0,157.48 2.14,2376.82 ; 2.14,2376.82 cw(c145,2376.82) 145,2519.69 ; 2.14,2376.82 cw(c145,2376.82) 145,2519.69 ; 145,2519.69 3790,2519.69 ; 145,2519.69 3790,2519.69 ; 157.48,0 3779.53,0 ; 157.48,0 3779.53,0 ; 3779.53,0 ccw(c3779.53,157.48) 3937.01,157.48 ; 3779.53,0 ccw(c3779.53,157.48) 3937.01,157.48 ; 3790,2519.69 cw(c3790,2374.85) 3934.84,2374.85 ; 3790,2519.69 cw(c3790,2374.85) 3934.84,2374.85 ; 3934.84,2374.85 3937.01,157.48 ; 3934.84,2374.85 3937.01,157.48